# KiCad board pandakbd_panel.kicad_pcb
title: yellow_panda; rev: v1.0.0; company: Unknown
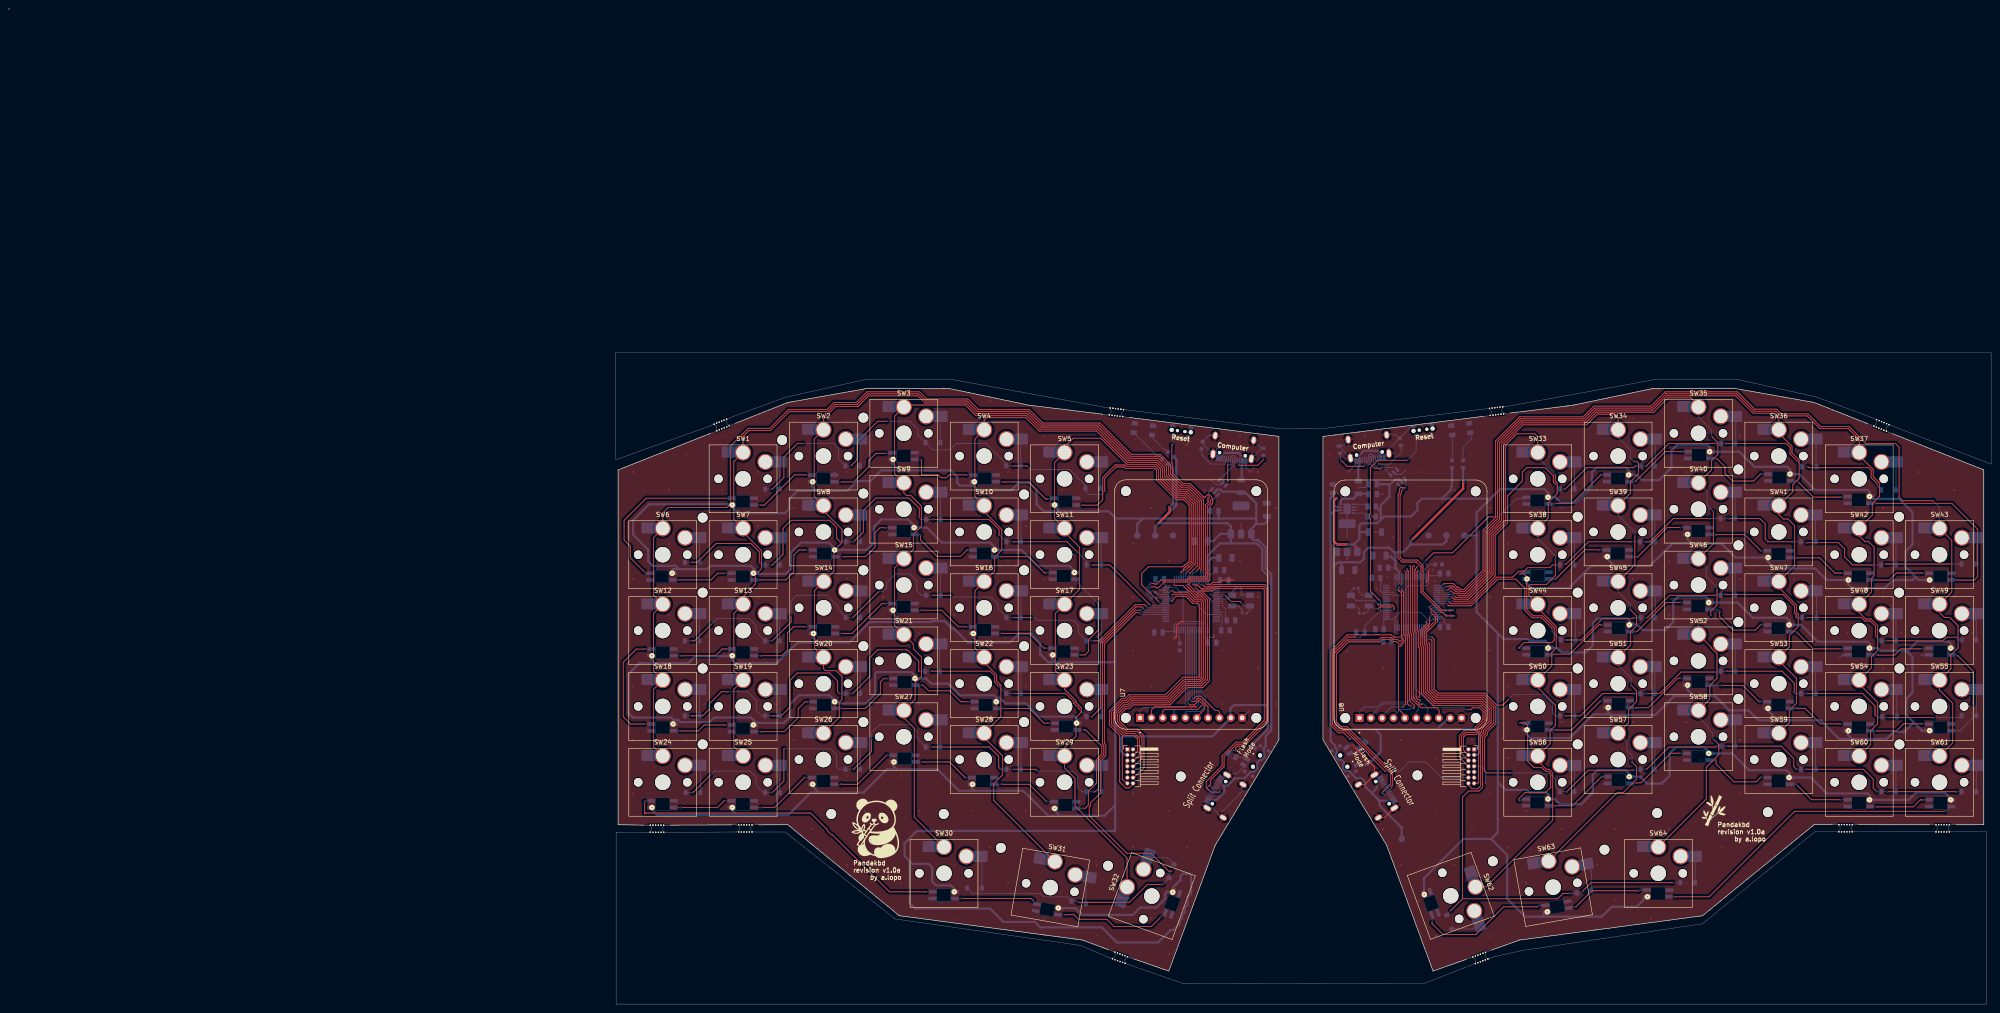
[diagram p0: board, top side]
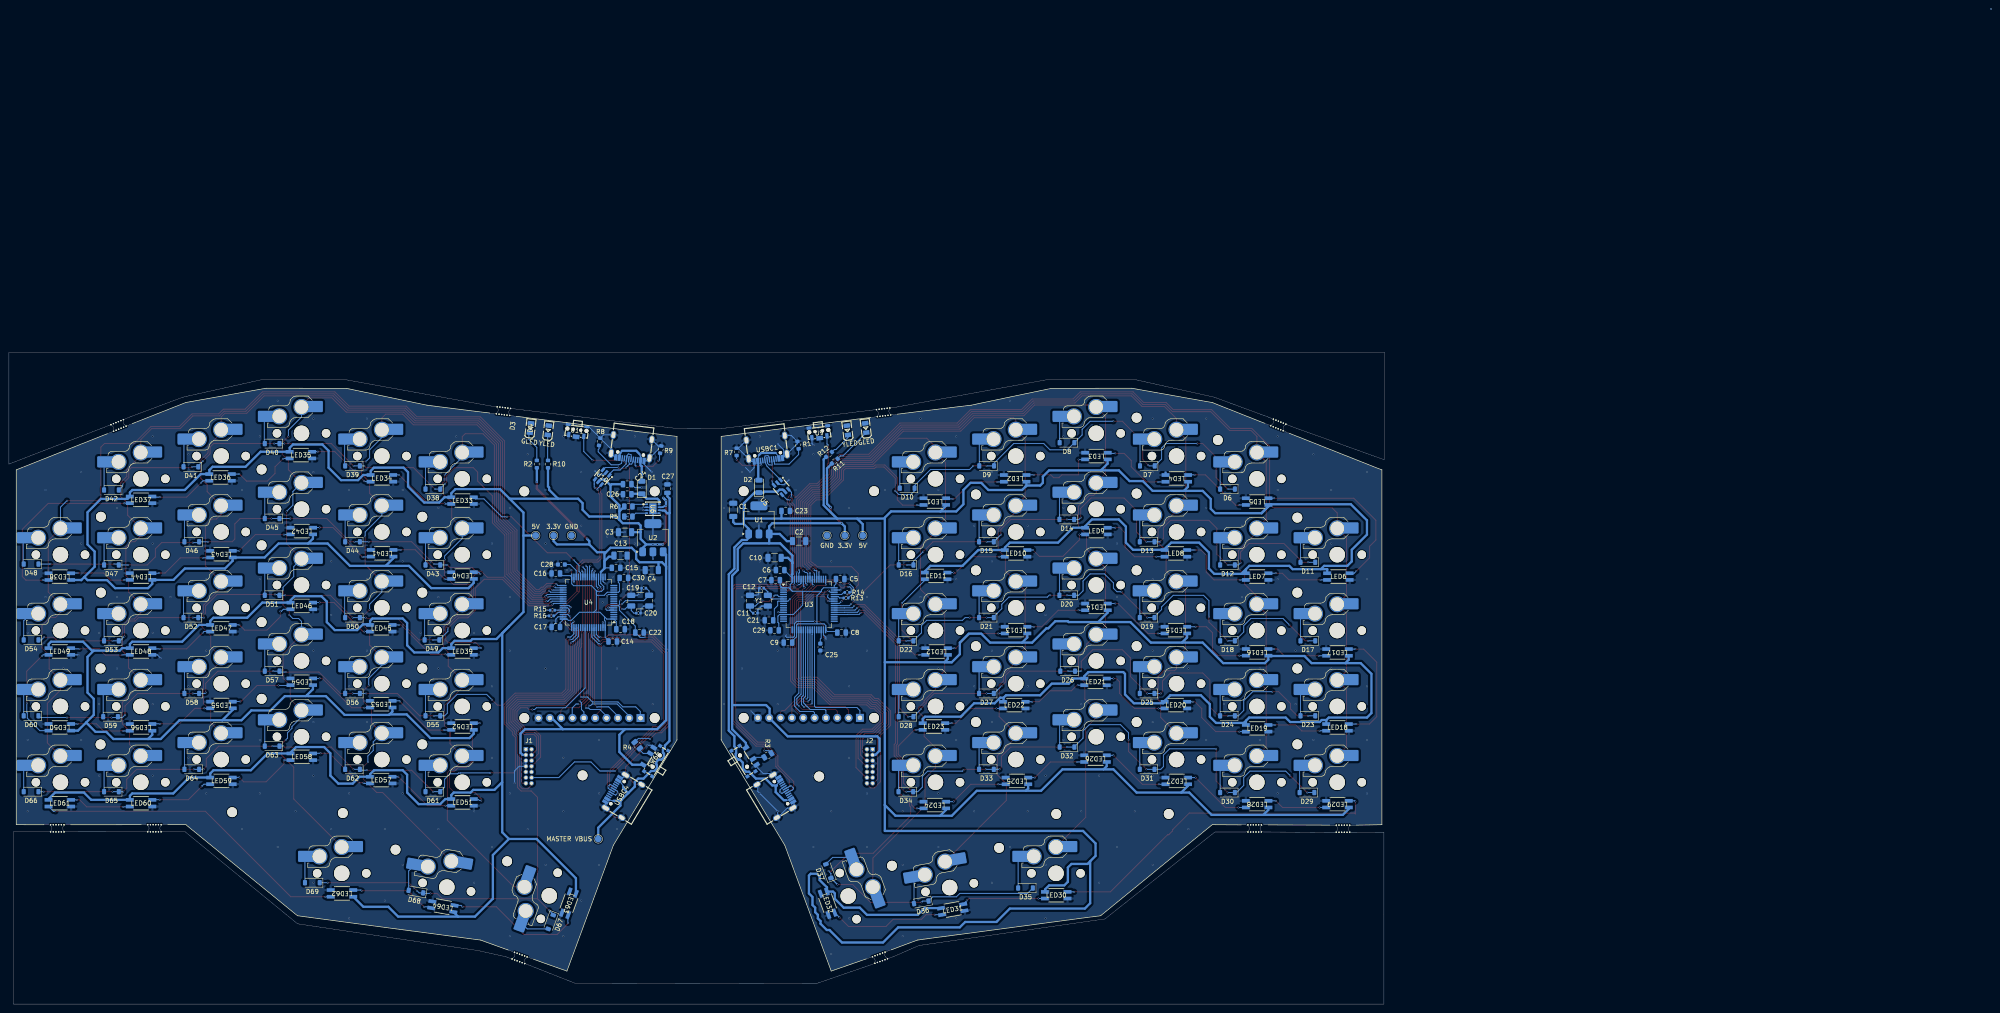
[diagram p1: board, bottom side, seen from below]

Outline 308.11 x 146.04 mm; copper layers: Top, Bottom. Coordinates in mm from the lower left corner of the outline.
Outline path: 21.29,127.91 0.57,119.7 0.57,40.2 6.28,40.1 ; 6.28,38.5 0.11,38.48 0.11,0 307.11,0 307.11,38.58 ; 12.28,40.1 26.07,40.16 ; 12.28,38.5 26.07,38.56 ; 20.7,129.39 0.08,122 0,146.04 308.11,146.04 308.11,121 286.65,129.29 ; 32.07,40.16 38.57,40.2 63.57,19.8 104.59,14.35 110.45,12.16 ; 32.07,38.56 37.96,38.56 62.59,19.08 104.24,13.12 109.91,10.66 ; 26.26,131.64 38.11,136 56.11,140 75.11,140 109.31,133.77 ; 26.86,130.15 38.57,134.8 56.57,138 74.57,137.97 92.57,134.2 109.12,132.18 ; 115.08,131.45 148.57,127.2 148.57,59.2 134.32,35.6 123.92,7.4 116.09,10.11 ; 115.27,133.04 148.57,128.95 158.13,128.93 194.27,133.3 ; 115.55,8.61 127.11,4.63 181.34,4.69 191.17,8.56 ; 190.63,10.06 183.12,7.4 172.72,35.6 158.47,59.2 158.47,127.2 194.46,131.71 ; 196.27,12.12 202.46,14.35 243.47,19.8 268.47,40.2 272.52,40.2 ; 196.81,10.61 203.06,12 243.47,18 268.63,38.6 272.52,38.6 ; 200.42,132.44 214.47,134.2 232.47,137.97 250.47,138 268.47,134.8 280.49,130.05 ; 200.22,134.03 233.11,140 251.11,140 269.11,136 281.09,131.54 ; 278.52,40.2 294.28,40.19 ; 278.52,38.6 294.28,38.59 ; 300.28,40.19 306.47,40.2 306.47,119.7 286.05,127.81 ; 300.28,38.59 307.11,38.59

## Placement (name value [footprint] x y rotation side)
3.3V  +5 V  [TestPoint_Pad_D1.5mm#2]  186.11 105 0 bottom
3.3V#2  +5 V  [TestPoint_Pad_D1.5mm#2]  120.86 105 0 bottom
5V  +5 V  [TestPoint_Pad_D1.5mm]  116.86 105 0 bottom
5V#2  +5 V  [TestPoint_Pad_D1.5mm]  190.11 105 0 bottom
C1  10uF  [C_1206_3216Metric]  145.86 110.75 90 bottom
C2  10uF  [C_1206_3216Metric]  131.11 103.75 180 bottom
C3  10uF  [C_1206_3216Metric]  170.11 105.75 0 bottom
C4  10uF  [C_1206_3216Metric]  164.11 97.25 0 bottom
C5  100nF  [C_0805_2012Metric]  121.91 95.25 180 bottom
C6  100nF  [C_0805_2012Metric]  135.36 97.25 0 bottom
C7  100nF  [C_0805_2012Metric]  136.36 95 0 bottom
C8  100nF  [C_0805_2012Metric]  121.61 83.25 180 bottom
C9  100nF  [C_0805_2012Metric]  133.61 81 0 bottom
C10  10uF  [C_1206_3216Metric]  136.61 100 0 bottom
C11  15pF  [C_0402_1005Metric]  140.91 87.6 180 bottom
C12  15pF  [C_0402_1005Metric]  139.51 93.2 0 bottom
C13  10uF  [C_1206_3216Metric]  171.11 100.5 0 bottom
C14  100nF  [C_0805_2012Metric]  172.86 81.25 0 bottom
C15  100nF  [C_0805_2012Metric]  172.11 97.75 0 bottom
C16  100nF  [C_0805_2012Metric]  185.61 96.5 180 bottom
C17  100nF  [C_0805_2012Metric]  185.61 84.5 180 bottom
C18  100nF  [C_0805_2012Metric]  171.11 84 0 bottom
C19  15pF  [C_0402_1005Metric]  165.91 93.2 0 bottom
C20  15pF  [C_0402_1005Metric]  167.11 87.6 180 bottom
C21  100nF  [C_0805_2012Metric]  137.86 86 180 bottom
C22  100nF  [C_0805_2012Metric]  166.86 83.25 0 bottom
C23  100nF  [C_0805_2012Metric]  134.11 110.5 180 bottom
C24  100nF  [C_0805_2012Metric]  169.61 116.5 180 bottom
C25  4.7uF  [C_0603_1608Metric]  126.36 80 90 bottom
C26  100nF  [C_0805_2012Metric]  169.61 114.25 180 bottom
C27  100nF  [C_0805_2012Metric]  160.61 115.5 270 bottom
C28  4.7uF  [C_0603_1608Metric]  184.36 98.5 180 bottom
C29  100nF  [C_0805_2012Metric]  136.61 83.75 0 bottom
C30  100nF  [C_0805_2012Metric]  170.36 95.5 0 bottom
D1  SMF5.0A  [D_SOD-123FL]  166.36 115.75 90 bottom
D2  SMF5.0A  [D_SOD-123FL]  140.11 116 90 bottom
D3  GLED  [LED0805-R-RD]  191.3 129.09 97 bottom
D4  YLED  [LED0805-R-RD]  187.31 128.59 97 bottom
D5  GLED  [LED0805-R-RD]  116.19 129.11 83 bottom
D6  1N4148W  [D_SOD-123]  35.15 115.4 0 bottom
D7  1N4148W  [D_SOD-123]  53.1 120.6 0 bottom
D8  1N4148W  [D_SOD-123]  71.1 125.8 0 bottom
D9  1N4148W  [D_SOD-123]  89.1 120.6 0 bottom
D10  1N4148W  [D_SOD-123]  106.9 115.6 0 bottom
D11  1N4148W  [D_SOD-123]  17.15 99 0 bottom
D12  1N4148W  [D_SOD-123]  35.15 98.4 0 bottom
D13  1N4148W  [D_SOD-123]  53.15 103.6 0 bottom
D14  1N4148W  [D_SOD-123]  71.15 108.6 0 bottom
D15  1N4148W  [D_SOD-123]  89.15 103.6 0 bottom
D16  1N4148W  [D_SOD-123]  107.15 98.4 0 bottom
D17  1N4148W  [D_SOD-123]  17.15 81.4 0 bottom
D18  1N4148W  [D_SOD-123]  35.15 81.4 0 bottom
D19  1N4148W  [D_SOD-123]  53.15 86.6 0 bottom
D20  1N4148W  [D_SOD-123]  71.15 91.6 0 bottom
D21  1N4148W  [D_SOD-123]  89.15 86.6 0 bottom
D22  1N4148W  [D_SOD-123]  107.15 81.4 0 bottom
D23  1N4148W  [D_SOD-123]  17.15 64.6 0 bottom
D24  1N4148W  [D_SOD-123]  35.15 64.6 0 bottom
D25  1N4148W  [D_SOD-123]  53.15 69.6 0 bottom
D26  1N4148W  [D_SOD-123]  70.95 74.6 0 bottom
D27  1N4148W  [D_SOD-123]  89.15 69.6 0 bottom
D28  1N4148W  [D_SOD-123]  107.15 64.4 0 bottom
D29  1N4148W  [D_SOD-123]  17.35 47.4 0 bottom
D30  1N4148W  [D_SOD-123]  35.15 47.4 0 bottom
D31  1N4148W  [D_SOD-123]  53.15 52.6 0 bottom
D32  1N4148W  [D_SOD-123]  71.1 57.6 0 bottom
D33  1N4148W  [D_SOD-123]  89.15 52.6 0 bottom
D34  1N4148W  [D_SOD-123]  107.2 47.6 0 bottom
D35  1N4148W  [D_SOD-123]  80.4 26 0 bottom
D36  1N4148W  [D_SOD-123]  103.75 22.8 350 bottom
D37  1N4148W  [D_SOD-123]  124.55 29.8 70 bottom
D38  1N4148W  [D_SOD-123]  213.15 115.4 0 bottom
D39  1N4148W  [D_SOD-123]  231.15 120.6 0 bottom
D40  1N4148W  [D_SOD-123]  249.15 125.6 0 bottom
D41  1N4148W  [D_SOD-123]  267.35 120.4 0 bottom
D42  1N4148W  [D_SOD-123]  285.15 115.2 0 bottom
D43  1N4148W  [D_SOD-123]  213.15 98.4 0 bottom
D44  1N4148W  [D_SOD-123]  231.15 103.6 0 bottom
D45  1N4148W  [D_SOD-123]  249.15 108.8 0 bottom
D46  1N4148W  [D_SOD-123]  267.15 103.6 0 bottom
D47  1N4148W  [D_SOD-123]  285.15 98.4 0 bottom
D48  1N4148W  [D_SOD-123]  303.15 98.6 0 bottom
D49  1N4148W  [D_SOD-123]  213.35 81.6 0 bottom
D50  1N4148W  [D_SOD-123]  231.15 86.6 0 bottom
D51  1N4148W  [D_SOD-123]  249.15 91.6 0 bottom
D52  1N4148W  [D_SOD-123]  267.35 86.6 0 bottom
D53  1N4148W  [D_SOD-123]  285.15 81.4 0 bottom
D54  1N4148W  [D_SOD-123]  303.15 81.6 0 bottom
D55  1N4148W  [D_SOD-123]  213.15 64.6 0 bottom
D56  1N4148W  [D_SOD-123]  231.15 69.6 0 bottom
D57  1N4148W  [D_SOD-123]  249.15 74.6 0 bottom
D58  1N4148W  [D_SOD-123]  267.15 69.6 0 bottom
D59  1N4148W  [D_SOD-123]  285.35 64.4 0 bottom
D60  1N4148W  [D_SOD-123]  303.15 64.6 0 bottom
D61  1N4148W  [D_SOD-123]  213.15 47.6 0 bottom
D62  1N4148W  [D_SOD-123]  231.15 52.6 0 bottom
D63  1N4148W  [D_SOD-123]  249.15 57.8 0 bottom
D64  1N4148W  [D_SOD-123#2]  267.15 52.6 0 bottom
D65  1N4148W  [D_SOD-123]  285.15 47.6 0 bottom
D66  1N4148W  [D_SOD-123]  303.15 47.6 0 bottom
D67  1N4148W  [D_SOD-123]  186.75 18.4 290 bottom
D68  1N4148W  [D_SOD-123]  216.95 25.2 10 bottom
D69  1N4148W  [D_SOD-123]  240.15 27.2 0 bottom
D70  YLED  [LED0805-R-RD]  120.29 128.58 83 bottom
G  LOGO  [panda]  58.51 39.4 0 top
G***  LOGO  [bamboo]  246.11 43.2 340 top
GND  +5 V  [TestPoint_Pad_D1.5mm#3]  124.86 105 0 bottom
GND#2  +5 V  [TestPoint_Pad_D1.5mm#3]  182.11 105 0 bottom
J1  Conn_ST_STDC14  [PinHeader_2x07_P1.27mm_Horizontal]  192.31 57.1 180 bottom  (not fitted)
J2  Conn_ST_STDC14  [PinHeader_2x07_P1.27mm_Horizontal]  114.64 57.1 0 top  (not fitted)
LED1  4960  [4960_ADA]  100.71 112.6 0 bottom  (not fitted)
LED2  4960  [4960_ADA]  82.71 117.8 0 bottom  (not fitted)
LED3  4960  [4960_ADA]  64.51 122.8 0 bottom  (not fitted)
LED4  4960  [4960_ADA]  46.51 117.8 0 bottom  (not fitted)
LED5  4960  [4960_ADA]  28.51 112.6 0 bottom  (not fitted)
LED6  4960  [4960_ADA]  10.31 95.8 180 bottom  (not fitted)
LED7  4960  [4960_ADA]  28.51 95.8 180 bottom  (not fitted)
LED8  4960  [4960_ADA]  46.71 101 180 bottom  (not fitted)
LED9  4960  [4960_ADA]  64.51 106 180 bottom  (not fitted)
LED10  4960  [4960_ADA]  82.51 101 180 bottom  (not fitted)
LED11  4960  [4960_ADA]  100.42 95.95 180 bottom  (not fitted)
LED12  4960  [4960_ADA]  100.31 79 0 bottom  (not fitted)
LED13  4960  [4960_ADA]  82.51 83.8 0 bottom  (not fitted)
LED14  4960  [4960_ADA]  64.51 89 0 bottom  (not fitted)
LED15  4960  [4960_ADA]  46.71 83.8 0 bottom  (not fitted)
LED16  4960  [4960_ADA]  28.51 78.82 0 bottom  (not fitted)
LED17  4960  [4960_ADA]  10.51 78.8 0 bottom  (not fitted)
LED18  4960  [4960_ADA]  10.51 62 180 bottom  (not fitted)
LED19  4960  [4960_ADA]  28.51 61.8 180 bottom  (not fitted)
LED20  4960  [4960_ADA]  46.71 67 180 bottom  (not fitted)
LED21  4960  [4960_ADA]  64.71 72.2 180 bottom  (not fitted)
LED22  4960  [4960_ADA]  82.91 67 180 bottom  (not fitted)
LED23  4960  [4960_ADA]  100.91 62.2 180 bottom  (not fitted)
LED24  4960  [4960_ADA]  100.71 44.6 0 bottom  (not fitted)
LED25  4960  [4960_ADA]  82.31 50 0 bottom  (not fitted)
LED26  4960  [4960_ADA]  64.71 55 0 bottom  (not fitted)
LED27  4960  [4960_ADA]  46.51 50 0 bottom  (not fitted)
LED28  4960  [4960_ADA]  28.51 44.8 0 bottom  (not fitted)
LED29  4960  [4960_ADA]  10.51 44.8 0 bottom  (not fitted)
LED30  4960  [4960_ADA]  73.51 24.4 180 bottom  (not fitted)
LED31  4960  [4960_ADA]  96.71 21.2 170 bottom  (not fitted)
LED32  4960  [4960_ADA]  124.71 22.6 250 bottom  (not fitted)
LED33  4960  [4960_ADA]  206.51 112.82 180 bottom  (not fitted)
LED34  4960  [4960_ADA]  224.57 117.82 180 bottom  (not fitted)
LED35  4960  [4960_ADA]  242.71 123.02 180 bottom  (not fitted)
LED36  4960  [4960_ADA]  260.71 118.02 180 bottom  (not fitted)
LED37  4960  [4960_ADA]  278.51 113 180 bottom  (not fitted)
LED38  4960  [4960_ADA]  296.71 95.78 0 bottom  (not fitted)
LED39  4960  [4960_ADA]  206.51 79.02 180 bottom  (not fitted)
LED40  4960  [4960_ADA]  206.51 96.02 0 bottom  (not fitted)
LED41  4960  [4960_ADA]  224.51 101.02 0 bottom  (not fitted)
LED42  4960  [4960_ADA]  242.51 106 0 bottom  (not fitted)
LED43  4960  [4960_ADA]  260.51 100.82 0 bottom  (not fitted)
LED44  4960  [4960_ADA]  278.51 95.8 0 bottom  (not fitted)
LED45  4960  [4960_ADA]  224.71 84.22 180 bottom  (not fitted)
LED46  4960  [4960_ADA]  242.51 89.22 180 bottom  (not fitted)
LED47  4960  [4960_ADA]  260.51 84.22 180 bottom  (not fitted)
LED48  4960  [4960_ADA]  278.51 79.02 180 bottom  (not fitted)
LED49  4960  [4960_ADA]  296.71 79.02 180 bottom  (not fitted)
LED50  4960  [4960_ADA]  296.71 62.02 0 bottom  (not fitted)
LED51  4960  [4960_ADA]  206.51 45.2 180 bottom  (not fitted)
LED52  4960  [4960_ADA]  206.51 62.2 0 bottom  (not fitted)
LED53  4960  [4960_ADA]  224.71 67.2 0 bottom  (not fitted)
LED54  4960  [4960_ADA]  242.51 72.22 0 bottom  (not fitted)
LED55  4960  [4960_ADA]  260.51 67.02 0 bottom  (not fitted)
LED56  4960  [4960_ADA]  278.51 62 0 bottom  (not fitted)
LED57  4960  [4960_ADA]  224.71 50.2 180 bottom  (not fitted)
LED58  4960  [4960_ADA]  242.51 55.42 180 bottom  (not fitted)
LED59  4960  [4960_ADA]  260.51 50.02 180 bottom  (not fitted)
LED60  4960  [4960_ADA]  278.51 45.02 180 bottom  (not fitted)
LED61  4960  [4960_ADA]  296.71 45.02 180 bottom  (not fitted)
LED62  4960  [4960_ADA]  233.51 24.8 0 bottom  (not fitted)
LED63  4960  [4960_ADA]  182.67 22.59 290 bottom  (not fitted)
LED64  4960  [4960_ADA]  210.91 21.82 10 bottom  (not fitted)
MASTER VBUS  +5 V  [TestPoint_Pad_D1.5mm]  176.11 37 0 bottom
NOREF  -  [bf87ff4d-921f-4e46-abc4-457b704bfae1]  165.11 54.25 0 top
NOREF#2  -  [unnamed]  215.51 58.2 0 top
NOREF#3  -  [unnamed]  215.51 92.2 0 top
NOREF#4  -  [unnamed]  215.51 75.2 0 top
NOREF#5  -  [unnamed]  215.51 109.2 0 top
NOREF#6  -  [bf87ff4d-921f-4e46-abc4-457b704bfae1]  142.86 56 0 top
R1  5.1kΩ  [R_0603_1608Metric]  131.36 125.25 260 bottom
R2  33Ω  [R_0603_1608Metric]  189.86 121 270 bottom
R3  10kΩ  [R_0805_2012Metric]  138.11 55.75 330 bottom
R4  10kΩ  [R_0805_2012Metric]  167.36 58 230 bottom
R5  330Ω  [R_0805_2012Metric]  169.36 109.25 0 bottom
R6  10kΩ  [R_0805_2012Metric]  169.36 111.5 180 bottom
R7  5.1kΩ  [R_0603_1608Metric]  145.11 123.75 270 bottom
R8  5.1kΩ  [R_0603_1608Metric]  175.79 126 280 bottom
R9  5.1kΩ  [R_0603_1608Metric]  162.11 124.25 280 bottom
R10  300  [R_0603_1608Metric]  187.36 121 270 bottom
R11  33Ω  [R_0603_1608Metric]  123.13 121.68 320 bottom
R12  300  [R_0603_1608Metric]  124.41 123.17 320 bottom
R13  22  [R_0402_1005Metric]  120.61 91 180 bottom
R14  22  [R_0402_1005Metric]  120.35 92.25 180 bottom
R15  22  [R_0402_1005Metric]  186.36 88.25 0 bottom
R16  22  [R_0402_1005Metric]  186.61 87 0 bottom
REF**  -  [MountingHole_2.2mm_M2]  287.51 92.2 0 top
REF**#2  -  [MountingHole_2.2mm_M2]  91.51 114.2 0 top
REF**#3  -  [MouseBites, Cosmetic, JLCPCB, 1.6mm]  286.05 127.81 68 top
REF**#4  -  [MouseBites, Cosmetic, JLCPCB, 1.6mm]  196.81 10.61 110 top
REF**#5  -  [MountingHole_2.2mm_M2]  91.51 63.2 0 top
REF**#6  -  [MountingHole_2.2mm_M2]  251.51 85.6 0 top
REF**#7  -  [MountingHole_2.2mm_M2]  37.31 126.4 0 top
REF**#8  -  [MountingHole_2.2mm_M2]  233.31 42.8 0 top
REF**#9  -  [MountingHole_2.2mm_M2]  55.51 114.4 0 top
REF**#10  -  [MouseBites, Cosmetic, JLCPCB, 1.6mm]  32.07 38.56 90 top
REF**#11  -  [MountingHole_2.2mm_M2]  19.51 92.2 0 top
REF**#12  -  [MountingHole_2.2mm_M2]  251.51 68.4 0 top
REF**#13  -  [MountingHole_2.2mm_M2]  287.51 109.2 0 top
REF**#14  -  [MountingHole_2.2mm_M2]  86.31 35 0 top
REF**#15  -  [MountingHole_2.2mm_M2]  73.51 42.6 0 top
REF**#16  -  [MountingHole_2.2mm_M2]  55.51 97.2 0 top
REF**#17  -  [MountingHole_2.2mm_M2]  196.51 32 0 top
REF**#18  -  [MountingHole_2.2mm_M2]  287.59 75.21 0 top
REF**#19  -  [MountingHole_2.2mm_M2]  55.51 63.2 0 top
REF**#20  -  [MouseBites, Cosmetic, JLCPCB, 1.6mm]  300.28 38.59 90 top
REF**#21  -  [MountingHole_2.2mm_M2]  251.51 102.8 0 top
REF**#22  -  [MountingHole_2.2mm_M2]  91.51 80.2 0 top
REF**#23  -  [MouseBites, Cosmetic, JLCPCB, 1.6mm]  200.42 132.44 97 top
REF**#24  -  [MouseBites, Cosmetic, JLCPCB, 1.6mm]  115.55 8.61 70 top
REF**#25  -  [MountingHole_2.2mm_M2]  19.51 109 0 top
REF**#26  -  [MouseBites, Cosmetic, JLCPCB, 1.6mm]  278.52 38.6 90 top
REF**#27  -  [MountingHole_2.2mm_M2]  91.51 97.2 0 top
REF**#28  -  [MountingHole_2.2mm_M2]  19.51 75.2 0 top
REF**#29  -  [MountingHole_2.2mm_M2]  126.61 51 0 top
REF**#30  -  [MouseBites, Cosmetic, JLCPCB, 1.6mm]  12.28 38.5 90 top
REF**#31  -  [MountingHole_2.2mm_M2]  258.11 43 0 top
REF**#32  -  [MountingHole_2.2mm_M2]  221.51 34.6 0 top
REF**#33  -  [MountingHole_2.2mm_M2]  287.59 58.18 0 top
REF**#34  -  [MountingHole_2.2mm_M2]  55.51 80.2 0 top
REF**#35  -  [MountingHole_2.2mm_M2]  179.61 51.25 0 top
REF**#36  -  [MountingHole_2.2mm_M2]  251.51 119.8 0 top
REF**#37  -  [MountingHole_2.2mm_M2]  55.51 131.4 0 top
REF**#38  -  [MountingHole_2.2mm_M2]  19.51 58.2 0 top
REF**#39  -  [MountingHole_2.2mm_M2]  48.31 42.6 0 top
REF**#40  -  [MouseBites, Cosmetic, JLCPCB, 1.6mm]  115.27 133.04 263 bottom
REF**#41  -  [MountingHole_2.2mm_M2]  110.31 31 0 bottom
REF**#42  -  [MouseBites, Cosmetic, JLCPCB, 1.6mm]  26.26 131.64 292 bottom
SW1  1N4148W  [SW_Hotswap_Kailh_Choc_V1_Plated_1.00u]  28.56 117.7 0 top
SW2  1N4148W  [SW_Hotswap_Kailh_Choc_V1_Plated_1.00u]  46.57 122.8 0 top
SW3  1N4148W  [SW_Hotswap_Kailh_Choc_V1_Plated_1.00u]  64.57 127.9 0 top
SW4  1N4148W  [SW_Hotswap_Kailh_Choc_V1_Plated_1.00u]  82.57 122.8 0 top
SW5  1N4148W  [SW_Hotswap_Kailh_Choc_V1_Plated_1.00u]  100.57 117.7 0 top
SW6  1N4148W  [SW_Hotswap_Kailh_Choc_V1_Plated_1.00u]  10.57 100.7 0 top
SW7  1N4148W  [SW_Hotswap_Kailh_Choc_V1_Plated_1.00u]  28.57 100.7 0 top
SW8  1N4148W  [SW_Hotswap_Kailh_Choc_V1_Plated_1.00u]  46.57 105.8 0 top
SW9  1N4148W  [SW_Hotswap_Kailh_Choc_V1_Plated_1.00u]  64.57 110.9 0 top
SW10  1N4148W  [SW_Hotswap_Kailh_Choc_V1_Plated_1.00u]  82.57 105.8 0 top
SW11  1N4148W  [SW_Hotswap_Kailh_Choc_V1_Plated_1.00u]  100.57 100.7 0 top
SW12  1N4148W  [SW_Hotswap_Kailh_Choc_V1_Plated_1.00u]  10.57 83.7 0 top
SW13  1N4148W  [SW_Hotswap_Kailh_Choc_V1_Plated_1.00u]  28.57 83.7 0 top
SW14  1N4148W  [SW_Hotswap_Kailh_Choc_V1_Plated_1.00u]  46.62 88.8 0 top
SW15  1N4148W  [SW_Hotswap_Kailh_Choc_V1_Plated_1.00u]  64.57 93.9 0 top
SW16  1N4148W  [SW_Hotswap_Kailh_Choc_V1_Plated_1.00u]  82.57 88.8 0 top
SW17  1N4148W  [SW_Hotswap_Kailh_Choc_V1_Plated_1.00u]  100.57 83.7 0 top
SW18  1N4148W  [SW_Hotswap_Kailh_Choc_V1_Plated_1.00u]  10.57 66.7 0 top
SW19  1N4148W  [SW_Hotswap_Kailh_Choc_V1_Plated_1.00u]  28.57 66.7 0 top
SW20  1N4148W  [SW_Hotswap_Kailh_Choc_V1_Plated_1.00u]  46.57 71.8 0 top
SW21  1N4148W  [SW_Hotswap_Kailh_Choc_V1_Plated_1.00u]  64.57 76.9 0 top
SW22  1N4148W  [SW_Hotswap_Kailh_Choc_V1_Plated_1.00u]  82.57 71.8 0 top
SW23  1N4148W  [SW_Hotswap_Kailh_Choc_V1_Plated_1.00u]  100.57 66.7 0 top
SW24  1N4148W  [SW_Hotswap_Kailh_Choc_V1_Plated_1.00u]  10.57 49.7 0 top
SW25  1N4148W  [SW_Hotswap_Kailh_Choc_V1_Plated_1.00u]  28.57 49.7 0 top
SW26  1N4148W  [SW_Hotswap_Kailh_Choc_V1_Plated_1.00u]  46.57 54.8 0 top
SW27  1N4148W  [SW_Hotswap_Kailh_Choc_V1_Plated_1.00u]  64.57 59.9 0 top
SW28  1N4148W  [SW_Hotswap_Kailh_Choc_V1_Plated_1.00u]  82.57 54.8 0 top
SW29  1N4148W  [SW_Hotswap_Kailh_Choc_V1_Plated_1.00u]  100.57 49.7 0 top
SW30  1N4148W  [SW_Hotswap_Kailh_Choc_V1_Plated_1.00u]  73.57 29.3 0 top
SW31  1N4148W  [SW_Hotswap_Kailh_Choc_V1_Plated_1.00u]  97.38 26.11 350 top
SW32  1N4148W  [SW_Hotswap_Kailh_Choc_V1_Plated_1.50u]  120.12 24.2 70 top
SW33  1N4148W  [SW_Hotswap_Kailh_Choc_V1_Plated_1.00u]  206.57 117.7 0 top
SW34  1N4148W  [SW_Hotswap_Kailh_Choc_V1_Plated_1.00u]  224.57 122.8 0 top
SW35  1N4148W  [SW_Hotswap_Kailh_Choc_V1_Plated_1.00u]  242.57 127.9 0 top
SW36  1N4148W  [SW_Hotswap_Kailh_Choc_V1_Plated_1.00u]  260.57 122.8 0 top
SW37  1N4148W  [SW_Hotswap_Kailh_Choc_V1_Plated_1.00u]  278.57 117.7 0 top
SW38  1N4148W  [SW_Hotswap_Kailh_Choc_V1_Plated_1.00u]  206.57 100.7 0 top
SW39  1N4148W  [SW_Hotswap_Kailh_Choc_V1_Plated_1.00u]  224.57 105.8 0 top
SW40  1N4148W  [SW_Hotswap_Kailh_Choc_V1_Plated_1.00u]  242.57 110.9 0 top
SW41  1N4148W  [SW_Hotswap_Kailh_Choc_V1_Plated_1.00u]  260.57 105.8 0 top
SW42  1N4148W  [SW_Hotswap_Kailh_Choc_V1_Plated_1.00u]  278.57 100.7 0 top
SW43  1N4148W  [SW_Hotswap_Kailh_Choc_V1_Plated_1.00u]  296.57 100.7 0 top
SW44  1N4148W  [SW_Hotswap_Kailh_Choc_V1_Plated_1.00u]  206.57 83.7 0 top
SW45  1N4148W  [SW_Hotswap_Kailh_Choc_V1_Plated_1.00u]  224.57 88.8 0 top
SW46  1N4148W  [SW_Hotswap_Kailh_Choc_V1_Plated_1.00u]  242.57 93.9 0 top
SW47  1N4148W  [SW_Hotswap_Kailh_Choc_V1_Plated_1.00u]  260.57 88.8 0 top
SW48  1N4148W  [SW_Hotswap_Kailh_Choc_V1_Plated_1.00u]  278.57 83.7 0 top
SW49  1N4148W  [SW_Hotswap_Kailh_Choc_V1_Plated_1.00u]  296.57 83.7 0 top
SW50  1N4148W  [SW_Hotswap_Kailh_Choc_V1_Plated_1.00u]  206.57 66.7 0 top
SW51  1N4148W  [SW_Hotswap_Kailh_Choc_V1_Plated_1.00u]  224.57 71.8 0 top
SW52  1N4148W  [SW_Hotswap_Kailh_Choc_V1_Plated_1.00u]  242.57 76.9 0 top
SW53  1N4148W  [SW_Hotswap_Kailh_Choc_V1_Plated_1.00u]  260.57 71.8 0 top
SW54  1N4148W  [SW_Hotswap_Kailh_Choc_V1_Plated_1.00u]  278.57 66.7 0 top
SW55  1N4148W  [SW_Hotswap_Kailh_Choc_V1_Plated_1.00u]  296.57 66.7 0 top
SW56  1N4148W  [SW_Hotswap_Kailh_Choc_V1_Plated_1.00u]  206.57 49.7 0 top
SW57  1N4148W  [SW_Hotswap_Kailh_Choc_V1_Plated_1.00u]  224.57 54.8 0 top
SW58  1N4148W  [SW_Hotswap_Kailh_Choc_V1_Plated_1.00u]  242.57 59.9 0 top
SW59  1N4148W  [SW_Hotswap_Kailh_Choc_V1_Plated_1.00u]  260.57 54.8 0 top
SW60  1N4148W  [SW_Hotswap_Kailh_Choc_V1_Plated_1.00u]  278.57 49.7 0 top
SW61  1N4148W  [SW_Hotswap_Kailh_Choc_V1_Plated_1.00u]  296.57 49.7 0 top
SW62  1N4148W  [SW_Hotswap_Kailh_Choc_V1_Plated_1.50u]  187.08 24.26 290 top
SW63  1N4148W  [SW_Hotswap_Kailh_Choc_V1_Plated_1.00u]  210.02 26.2 10 top
SW64  1N4148W  [SW_Hotswap_Kailh_Choc_V1_Plated_1.00u]  233.57 29.3 0 top
SW66  MK-12C03-G015  [SW-SMD_MK-12C03-G015]  163.53 54.71 122 bottom
SW69  MK-12C03-G015  [SW-SMD_MK-12C03-G015#2]  143.16 54.71 238 bottom
U1  LT1963AxST-3.3  [SOT-223-3_TabPin2]  140.11 108.5 90 bottom
U2  LT1963AxST-3.3  [SOT-223-3_TabPin2]  163.86 104.5 90 bottom
U3  STM32F446RCTx  [LQFP-64_10x10mm_P0.5mm]  128.92 89.54 180 bottom
U4  STM32F446RCTx  [LQFP-64_10x10mm_P0.5mm#2]  178.3 90.03 0 bottom
U5  USBLC6-2SC6_C5261088  [SOT-23-6_L2.9-W1.6-P0.95-LS2.8-BR]  135.11 115.8 50 bottom
U6  TPS2115ADRBR  [SON-8_L3.0-W3.0-P0.65-LS3.0-BL-EP]  163.86 111 270 bottom
U7  358  [MODULE_358]  128.92 89.54 90 top  (not fitted)
U8  358  [MODULE_358]  178.07 89.5 90 top  (not fitted)
U9  GT-TC020A-H035-L05  [SW-SMD_GT-TC020B-H035-L05#2]  126.67 128.08 353 bottom
U10  USBLC6-2SC6_C5261088  [SOT-23-6_L2.9-W1.6-P0.95-LS2.8-BR]  175.21 118.08 130 bottom
U11  GT-TC020A-H035-L05  [SW-SMD_GT-TC020B-H035-L05]  180.92 128.39 7 bottom
USBC1  TYPE-C-31-M-12  [USB-C_SMD-TYPE-C-31-M-12_1#3]  138.32 124.42 353 bottom
USBC2  TYPE-C-31-M-12  [USB-C_SMD-TYPE-C-31-M-12_1#2]  168.71 124.58 7 bottom
USBC3  TYPE-C-31-M-12  [USB-C_SMD-TYPE-C-31-M-12_1]  136.21 46.76 239 bottom
USBC4  TYPE-C-31-M-12  [USB-C_SMD-TYPE-C-31-M-12_1]  170.75 46.76 121 bottom
Y1  8MHz  [Crystal_SMD_Abracon_ABM3B-4Pin_5.0x3.2mm]  140.11 90.4 0 bottom
Y2  8MHz  [Crystal_SMD_Abracon_ABM3B-4Pin_5.0x3.2mm]  166.71 90.4 180 bottom
